# Altium PCB MAX96724_COUPON.PcbDoc (part 2 of 2)
Units mm, origin at the board's own origin, x right, y up, seen from the top; angles counter-clockwise.
Board outline 95 x 90 mm, 4 copper layers (TOP, INT1, INT2, BOT), stack 1.586 mm thick; 183 components, 135 nets, 552 pads, 449 vias.
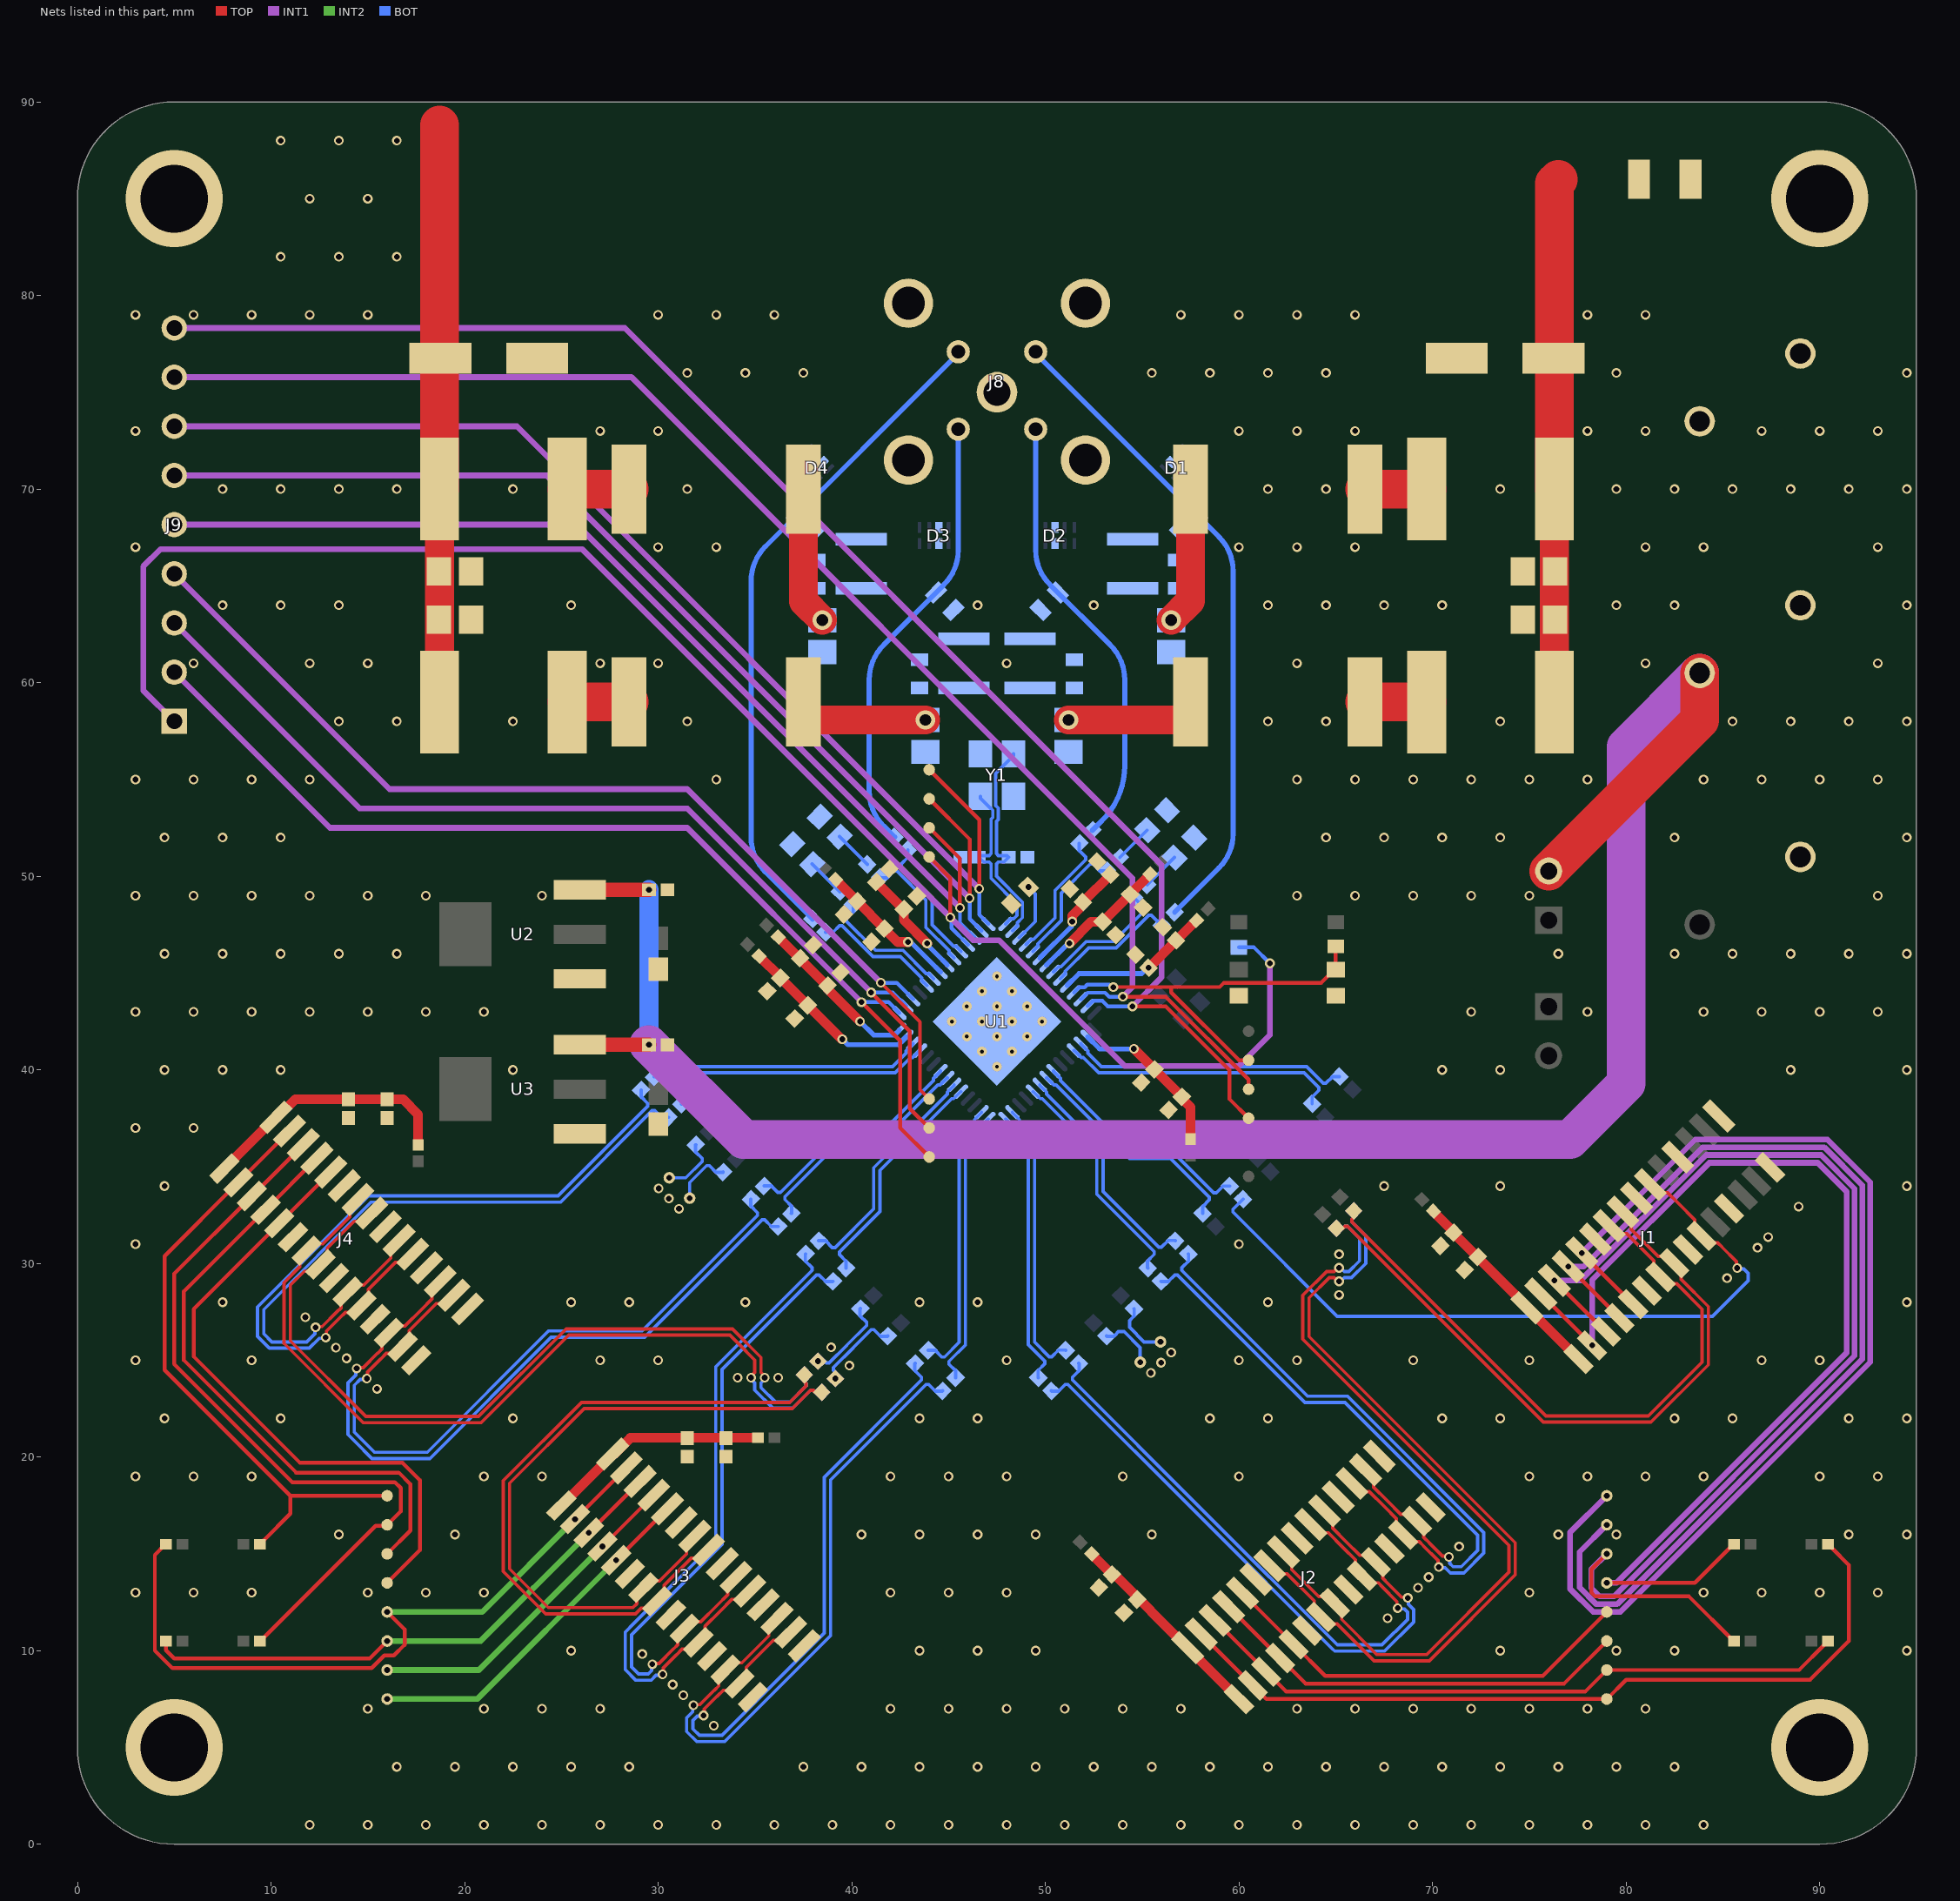
[diagram p4: the nets of this part, all layers, seen from the top]

## Via types
v1: diameter 0.5, hole 0.3, TOP to BOT, tented both sides, 348 vias
v2: diameter 0.5, hole 0.3, TOP to BOT, 77 vias
v3: diameter 0.5, hole 0.2, TOP to BOT, 16 vias
v4: diameter 1, hole 0.6, TOP to BOT, 4 vias
v5: diameter 5, hole 3.5, TOP to BOT, 4 vias

## Nets (pads, with @x,y where several pads share a name; then routed paths per layer and width w, separated by ;. In a path a pad name is that pad's centre, name@x,y a point inside that pad or via, vN(x,y) a via of type N, cw(c..) or ccw(c..) an arc to the next point about the centre after c; other vN are vias at no path point) (continued)
CSI0_D1_P: C16.2 J1.6 | length 38.3
  TOP w0.172: J1.6@81.25,34.078 81.692,33.636 81.994,33.636 82.011,33.653 82.154,33.653 82.701,33.106 83.547,32.26 83.547,32.117 83.53,32.1 83.53,31.798 J1.6@83.902,31.427 84.273,31.056 84.575,31.056 84.592,31.073 84.735,31.073 84.948,30.86 84.948,30.85 85.699,30.099 85.699,29.802 v2(85.738,29.763)
  BOT w0.172: C16.2@60.213,33.323 59.691,32.801 59.691,32.658 65.077,27.272 84.466,27.272 86.303,29.109 86.303,29.495 86.073,29.724 85.776,29.724 v2(85.738,29.763)
CSI0_D2_N: C19.2 J2.2 | length 31.9
  TOP w0.172: J2.2@66.541,19.344 66.983,18.902 66.983,18.6 66.966,18.583 66.966,18.44 67.647,17.759 68.359,17.047 68.502,17.047 68.519,17.064 68.821,17.064 J2.2@69.192,16.692 69.564,16.321 69.564,16.019 69.547,16.002 69.547,15.859 69.854,15.552 69.854,15.542 70.511,14.885 70.808,14.885 v2(70.846,14.846)
  BOT w0.172: C19.2@55.97,29.08 55.985,29.065 56.339,29.065 56.684,29.41 56.827,29.41 63.415,22.821 65.473,22.821 72.078,16.216 72.325,15.969 72.325,15.175 71.488,14.338 71.057,14.338 70.885,14.511 70.885,14.808 v2(70.846,14.846)
CSI0_D2_P: C18.2 J2.3 | length 32.9
  TOP w0.172: J2.3@65.834,18.637 66.276,18.195 66.578,18.195 66.595,18.212 66.738,18.212 67.513,17.437 68.131,16.819 68.131,16.676 68.114,16.659 68.114,16.357 J2.3@68.485,15.985 68.857,15.614 69.159,15.614 69.176,15.631 69.319,15.631 69.531,15.418 69.531,15.408 70.283,14.657 70.283,14.36 v2(70.321,14.321)
  BOT w0.172: C18.2@57.384,30.494 57.399,30.479 57.399,30.126 57.055,29.781 57.055,29.638 63.549,23.144 65.606,23.144 72.4,16.35 72.647,16.103 72.647,15.041 71.622,14.016 70.924,14.016 70.657,14.283 70.36,14.283 v2(70.321,14.321)
CSI0_D3_N: C23.2 J2.5 | length 33.3
  TOP w0.172: J2.5@64.419,17.223 64.861,16.781 64.861,16.478 64.844,16.461 64.844,16.319 65.525,15.638 66.238,14.925 66.38,14.925 66.397,14.942 66.7,14.942 J2.5@67.071,14.571 67.442,14.2 67.442,13.897 67.425,13.88 67.425,13.738 67.732,13.431 67.732,13.42 68.389,12.764 68.686,12.764 v2(68.725,12.725)
  BOT w0.172: C23.2@50.313,23.423 50.328,23.408 50.682,23.408 51.027,23.753 51.17,23.753 57.992,16.931 64.829,10.093 64.947,9.976 67.526,9.976 69.03,11.48 69.03,12.122 68.764,12.389 68.764,12.686 v2(68.725,12.725)
CSI0_D3_P: C22.2 J2.6 | length 32.3
  TOP w0.172: J2.6@63.712,16.516 64.154,16.074 64.457,16.074 64.474,16.091 64.616,16.091 65.392,15.315 66.01,14.697 66.01,14.555 65.993,14.538 65.993,14.235 J2.6@66.364,13.864 66.735,13.493 67.038,13.493 67.055,13.51 67.197,13.51 67.41,13.297 67.41,13.287 68.161,12.536 68.161,12.239 v2(68.2,12.2)
  BOT w0.172: C22.2@51.727,24.837 51.743,24.822 51.743,24.469 51.398,24.124 51.398,23.981 58.125,17.254 65.08,10.298 67.392,10.298 68.708,11.614 68.708,11.989 68.536,12.161 68.239,12.161 v2(68.2,12.2)
CSI0A_IO0: J1.11 TP1.1 | length 58.2
  TOP w0.2: v2(77.714,30.543) J1.11@80.366,27.891
  INT1 w0.3: v2(77.714,30.543) 83.576,36.405 90.399,36.405 92.605,34.199 92.605,24.901 79.704,12 78.3,12 77.1,13.2 77.1,16.1 v2(79,18)
CSI0A_IO1: J1.12 TP3.1 | length 55.3
  TOP w0.2: v2(77.007,29.836) J1.12@79.659,27.184
  INT1 w0.3: v2(77.007,29.836) 77.8,29.836 83.967,36.003 90.233,36.003 92.203,34.033 92.203,25.067 79.537,12.402 78.466,12.402 77.6,13.268 77.6,15.1 v2(79,16.5)
CSI0A_SCL: J1.13 R13.1 TP5.1 | length 63.1
  TOP w0.2: v2(76.3,29.129) J1.13@78.952,26.477 ; v2(79,15) 78.2,14.2 78.2,13 78.4,12.8 83.25,12.8 85.55,10.5 R13.1@85.575,10.5
  INT1 w0.3: v2(76.3,29.129) 77.661,29.129 84.134,35.602 90.066,35.602 91.802,33.866 91.802,25.234 79.371,12.803 78.633,12.803 78.2,13.236 78.2,14.2 v2(79,15)
CSI0A_SDA: J1.14 R7.1 TP7.1 | length 56.4
  TOP w0.2: J1.14@75.593,28.422 v2(78.245,25.77) ; v2(79,13.5) 83.55,13.5 85.55,15.5 R7.1@85.575,15.5
  INT1 w0.3: v2(78.245,25.77) 78.245,29.145 84.3,35.2 89.9,35.2 91.4,33.7 91.4,25.4 79.5,13.5 v2(79,13.5)
CSI0B_IO0: J2.11 TP2.1 | length 22
  TOP w0.2: J2.11@60.177,12.98 J2.11@62.828,10.328 64.457,8.7 75.7,8.7 TP2.1@79,12
CSI0B_IO1: J2.12 TP4.1 | length 22.1
  TOP w0.2: J2.12@59.47,12.273 J2.12@62.121,9.621 63.443,8.3 76.8,8.3 TP4.1@79,10.5
CSI0B_SCL: J2.13 R17.1 TP6.1 | length 34.3
  TOP w0.2: J2.13@58.763,11.566 J2.13@61.414,8.914 62.432,7.897 77.897,7.897 TP6.1@79,9 88.935,9 90.225,10.29 90.225,10.325 90.4,10.5 R17.1@90.425,10.5
CSI0B_SDA: J2.14 R11.1 TP8.1 | length 41.5
  TOP w0.2: J2.14@58.055,10.859 J2.14@60.707,8.207 60.718,8.207 61.425,7.5 TP8.1@79,7.5 80,8.5 89.5,8.5 91.5,10.5 91.5,14.425 90.625,15.3 90.625,15.325 90.45,15.5 R11.1@90.425,15.5
CSI1_CK_N: C41.2 R19.2 R20.2 | length 4.4
  BOT w0.172: v2(38.254,24.954) 38.591,24.954 38.687,24.858 38.83,24.858 39.737,25.765 39.737,25.773 40.774,26.809 40.774,26.952 40.429,27.297 40.429,27.651 C41.2@40.444,27.666
CSI1_CK_P: C38.2 R21.2 R22.2 | length 4.4
  BOT w0.172: v2(39.154,24.054) 39.154,24.391 39.058,24.487 39.058,24.63 40.059,25.631 40.059,25.639 41.002,26.581 41.145,26.581 41.49,26.237 41.843,26.237 C38.2@41.858,26.252
CSI1_D0_N: C29.2 J3.2 | length 33.2
  TOP w0.172: v2(32.346,6.654) 32.385,6.692 32.385,6.989 33.042,7.646 33.052,7.646 33.359,7.953 33.502,7.953 33.519,7.936 33.821,7.936 J3.2@34.192,8.308 34.564,8.679 34.564,8.981 34.547,8.998 34.547,9.141 35.94,10.534 36.083,10.534 36.1,10.517 36.402,10.517 J3.2@36.844,10.959
  BOT w0.172: v2(32.346,6.654) 32.308,6.615 32.011,6.615 31.793,6.397 31.793,5.957 32.125,5.625 33.3,5.625 38.58,10.905 38.58,18.959 43.602,23.981 43.602,24.124 43.257,24.469 43.257,24.822 C29.2@43.273,24.837
CSI1_D0_P: C28.2 J3.3 | length 34.2
  TOP w0.172: v2(31.821,7.179) 31.86,7.217 32.157,7.217 32.908,7.969 32.918,7.969 33.131,8.181 33.131,8.324 33.114,8.341 33.114,8.643 J3.3@33.485,9.015 33.857,9.386 34.159,9.386 34.176,9.369 34.319,9.369 35.712,10.762 35.712,10.905 35.695,10.922 35.695,11.224 J3.3@36.137,11.666
  BOT w0.172: v2(31.821,7.179) 31.783,7.14 31.783,6.843 31.47,6.531 31.47,5.824 31.991,5.303 33.434,5.303 38.902,10.771 38.902,18.825 43.83,23.753 43.973,23.753 44.318,23.408 44.672,23.408 C28.2@44.687,23.423
CSI1_D1_N: C31.2 J3.5 | length 34.7
  TOP w0.172: v2(30.225,8.775) 30.264,8.814 30.264,9.111 30.92,9.768 30.931,9.768 31.238,10.075 31.38,10.075 31.397,10.058 31.7,10.058 J3.5@32.071,10.429 32.442,10.8 32.442,11.103 32.425,11.12 32.425,11.262 33.177,12.014 33.819,12.656 33.961,12.656 33.978,12.639 34.281,12.639 J3.5@34.723,13.081
  BOT w0.172: v2(30.225,8.775) 30.186,8.736 29.889,8.736 29.622,8.47 28.851,8.47 28.3,9.02 28.3,10.956 28.741,11.397 32.975,15.631 32.975,24.667 37.945,29.638 37.945,29.781 37.601,30.126 37.601,30.479 C31.2@37.616,30.494
CSI1_D1_P: C30.2 J3.6 | length 33.6
  TOP w0.172: v2(29.7,9.3) 29.739,9.339 30.036,9.339 30.787,10.09 30.797,10.09 31.01,10.303 31.01,10.445 30.993,10.462 30.993,10.765 J3.6@31.364,11.136 31.735,11.507 32.038,11.507 32.055,11.49 32.197,11.49 33.043,12.336 33.591,12.884 33.591,13.026 33.574,13.043 33.574,13.346 J3.6@34.016,13.788
  BOT w0.172: v2(29.7,9.3) 29.661,9.261 29.661,8.964 29.489,8.792 28.984,8.792 28.622,9.154 28.622,10.822 33.297,15.497 33.297,24.534 38.173,29.41 38.316,29.41 38.661,29.065 39.015,29.065 C30.2@39.03,29.08
CSI1_D2_N: C33.2 J4.2 | length 37.3
  TOP w0.172: v2(14.947,24.053) 14.986,24.092 14.986,24.389 15.642,25.046 15.652,25.046 15.959,25.353 16.102,25.353 16.119,25.336 16.422,25.336 J4.2@16.793,25.707 17.164,26.078 17.164,26.381 17.147,26.398 17.147,26.541 17.899,27.292 18.54,27.934 18.683,27.934 18.7,27.917 19.003,27.917 J4.2@19.445,28.359
  BOT w0.172: v2(14.947,24.053) 14.908,24.014 14.611,24.014 14.301,23.704 14.301,21.299 15.35,20.25 18.075,20.25 24.34,26.515 29.166,26.515 35.132,32.481 35.132,32.624 34.787,32.969 C33.2@34.787,33.323
CSI1_D2_P: C32.2 J4.3 | length 38.4
  TOP w0.172: v2(14.422,24.578) 14.461,24.617 14.758,24.617 15.509,25.368 15.519,25.368 15.732,25.581 15.732,25.724 15.715,25.741 15.715,26.043 J4.3@16.086,26.414 16.457,26.785 16.759,26.785 16.776,26.768 16.919,26.768 17.765,27.614 18.312,28.162 18.312,28.305 18.295,28.322 18.295,28.624 J4.3@18.737,29.066
  BOT w0.172: v2(14.422,24.578) 14.383,24.539 14.383,24.242 13.979,23.838 13.979,21.165 14.347,20.797 15.216,19.928 18.209,19.928 24.474,26.193 29.3,26.193 35.36,32.253 35.503,32.253 35.848,31.909 C32.2@36.201,31.909
CSI1_D3_N: C37.2 J4.5 | length 37.7
  TOP w0.172: v2(12.826,26.174) 12.864,26.213 12.864,26.51 13.521,27.167 13.531,27.167 13.838,27.474 13.981,27.474 13.998,27.457 14.3,27.457 J4.5@14.672,27.828 15.043,28.2 15.043,28.502 15.026,28.519 15.026,28.662 16.419,30.055 16.562,30.055 16.579,30.038 16.881,30.038 J4.5@17.323,30.48
  BOT w0.172: v2(12.826,26.174) 12.787,26.136 12.49,26.136 11.982,25.628 9.916,25.628 9.822,25.722 9.303,26.241 9.303,27.753 15.036,33.486 24.823,33.486 29.46,38.123 29.46,38.266 29.115,38.611 C37.2@29.115,38.964
CSI1_D3_P: C36.2 J4.6 | length 36.7
  TOP w0.172: v2(12.301,26.699) 12.339,26.738 12.636,26.738 13.387,27.489 13.397,27.489 13.61,27.702 13.61,27.845 13.593,27.862 13.593,28.164 J4.6@13.964,28.536 14.336,28.907 14.638,28.907 14.655,28.89 14.798,28.89 16.191,30.283 16.191,30.426 16.174,30.443 16.174,30.745 J4.6@16.616,31.187
  BOT w0.172: v2(12.301,26.699) 12.262,26.661 12.262,26.364 11.848,25.95 10.05,25.95 9.625,26.375 9.625,27.619 15.17,33.164 24.957,33.164 29.688,37.895 29.831,37.895 30.176,37.55 C36.2@30.529,37.55
CSI1A_IO0: J3.11 TP10.1 | length 18.5
  TOP w0.2: v2(27.828,14.672) J3.11@30.48,17.323
  INT2 w0.3: v2(16,7.5) 20.657,7.5 v2(27.828,14.672)
CSI1A_IO1: J3.12 TP12.1 | length 17.5
  TOP w0.2: v2(27.121,15.379) J3.12@29.773,18.03
  INT2 w0.3: v2(16,9) 20.743,9 v2(27.121,15.379)
CSI1A_SCL: J3.13 R15.1 TP14.1 | length 28.9
  TOP w0.2: R15.1@4.575,10.5 4.575,10.025 5,9.6 15.1,9.6 v2(16,10.5) ; v2(26.414,16.086) J3.13@29.066,18.737
  INT2 w0.3: v2(16,10.5) 20.828,10.5 v2(26.414,16.086)
CSI1A_SDA: J3.14 R9.1 TP16.1 | length 37
  TOP w0.2: R9.1@4.575,15.5 4.55,15.5 4,14.95 4,10 4.9,9.1 15.2,9.1 15.85,9.75 16.35,9.75 16.9,10.3 16.9,11.1 v2(16,12) ; v2(25.707,16.793) J3.14@28.359,19.445
  INT2 w0.3: v2(16,12) 20.914,12 v2(25.707,16.793)
CSI1B_IO0: J4.11 TP11.1 | length 32.8
  TOP w0.2: J4.11@13.081,34.723 J4.11@10.429,32.071 6,27.642 6,25.2 11.5,19.7 16.8,19.7 17.7,18.8 17.7,15.2 TP11.1@16,13.5
CSI1B_IO1: J4.12 TP13.1 | length 31.7
  TOP w0.2: J4.12@12.373,35.43 J4.12@9.722,32.778 5.5,28.556 5.5,25 11.3,19.2 16.6,19.2 17.2,18.6 17.2,16.2 TP13.1@16,15
CSI1B_SCL: J4.13 R18.1 TP15.1 | length 39.7
  TOP w0.2: R18.1@9.425,10.5 9.45,10.5 15.4,16.45 15.95,16.45 TP15.1@16,16.5 16.7,17.2 16.7,18.4 16.4,18.7 11.1,18.7 5,24.8 5,29.471 J4.13@9.015,33.485 J4.13@11.666,36.137
CSI1B_SDA: J4.14 R12.1 TP17.1 | length 32.4
  TOP w0.2: R12.1@9.425,15.5 9.45,15.5 9.625,15.675 9.625,15.7 11,17.075 11,18 ; J4.14@10.959,36.844 J4.14@8.308,34.192 4.5,30.385 4.5,24.5 11,18 ; TP17.1@16,18 11,18
DA0_N: C15.1 U1.32 | length 14.4
  BOT w0.172: U1.32@51.477,40.997 51.498,40.997 51.858,40.638 51.962,40.638 52.756,39.845 63.362,39.845 64.124,39.084 64.124,38.941 63.779,38.596 C15.1@63.779,38.242
DA0_P: C14.1 U1.31 | length 14.4
  BOT w0.172: U1.31@51.831,41.351 51.831,41.33 52.19,40.971 52.19,40.866 52.889,40.167 63.496,40.167 64.351,39.311 64.494,39.311 64.839,39.656 C14.1@65.193,39.656
DA1_N: C17.1 U1.36 | length 11.9
  BOT w0.172: U1.36@50.063,39.583 50.084,39.583 50.443,39.224 50.548,39.224 54.352,35.42 56.473,35.42 58.467,33.427 58.467,33.284 58.122,32.939 C17.1@58.122,32.585
DA1_P: C16.1 U1.35 | length 11.9
  BOT w0.172: U1.35@50.417,39.937 50.417,39.916 50.776,39.557 50.776,39.452 54.485,35.743 56.607,35.743 58.695,33.655 58.837,33.655 59.182,34 C16.1@59.536,34
DA2_N: C19.1 U1.38 | length 11.9
  BOT w0.172: U1.38@49.356,38.876 49.377,38.876 49.736,38.517 49.841,38.517 52.654,35.704 52.654,33.583 55.623,30.613 55.623,30.471 55.278,30.126 55.278,29.772 C19.1@55.293,29.757
DA2_P: C18.1 U1.37 | length 11.9
  BOT w0.172: U1.37@49.71,39.23 49.71,39.209 50.069,38.85 50.069,38.745 52.976,35.838 52.976,33.716 55.851,30.841 55.994,30.841 56.339,31.186 56.692,31.186 C18.1@56.708,31.171
DA3_N: C23.1 U1.42 | length 14.4
  BOT w0.172: U1.42@47.942,37.462 47.963,37.462 48.322,37.103 48.427,37.103 49.118,36.411 49.118,25.805 49.966,24.957 49.966,24.814 49.621,24.469 49.621,24.115 C23.1@49.636,24.1
DA3_P: C22.1 U1.41 | length 14.4
  BOT w0.172: U1.41@48.295,37.815 48.295,37.794 48.655,37.435 48.655,37.331 49.441,36.545 49.441,25.938 50.194,25.185 50.337,25.185 50.682,25.529 51.036,25.529 C22.1@51.051,25.514
DB0_N: C29.1 U1.44 | length 14.4
  BOT w0.172: C29.1@43.949,25.514 44.303,25.514 44.648,25.169 44.791,25.169 45.552,25.931 45.552,36.537 46.345,37.331 46.345,37.435 46.705,37.794 U1.44@46.705,37.815
DB0_P: C28.1 U1.43 | length 14.4
  BOT w0.172: C28.1@45.364,24.1 45.364,24.454 45.019,24.799 45.019,24.941 45.874,25.797 45.874,36.404 46.573,37.103 46.678,37.103 47.037,37.462 U1.43@47.058,37.462
DB1_N: C31.1 U1.48 | length 11.9
  BOT w0.172: C31.1@38.292,31.171 38.646,31.171 38.991,30.826 39.134,30.826 41.128,32.82 41.128,34.941 44.931,38.745 44.931,38.85 45.29,39.209 U1.48@45.29,39.23
DB1_P: C30.1 U1.47 | length 11.9
  BOT w0.172: C30.1@39.707,29.757 39.707,30.111 39.362,30.455 39.362,30.598 41.45,32.686 41.45,34.808 45.159,38.517 45.264,38.517 45.623,38.876 U1.47@45.644,38.876
DB2_N: C33.1 U1.50 | length 11.9
  BOT w0.172: C33.1@35.464,34 35.479,34.015 35.833,34.015 36.178,33.67 36.321,33.67 39.29,36.639 41.411,36.639 44.224,39.452 44.224,39.557 44.583,39.916 U1.50@44.583,39.937
DB2_P: C32.1 U1.49 | length 11.9
  BOT w0.172: C32.1@36.878,32.585 36.893,32.601 36.893,32.954 36.548,33.299 36.548,33.442 39.423,36.317 41.545,36.317 44.452,39.224 44.557,39.224 44.916,39.583 U1.49@44.937,39.583
DB3_N: C37.1 U1.54 | length 14.4
  BOT w0.172: C37.1@29.792,39.641 29.807,39.656 30.161,39.656 30.506,39.311 30.649,39.311 31.504,40.167 42.111,40.167 42.81,40.866 42.81,40.971 43.169,41.33 U1.54@43.169,41.351
DB3_P: C36.1 U1.53 | length 14.4
  BOT w0.172: C36.1@31.206,38.227 31.221,38.242 31.221,38.596 30.876,38.941 30.876,39.084 31.638,39.845 42.244,39.845 43.038,40.638 43.142,40.638 43.502,40.997 U1.53@43.523,40.997
GND: C1.2 C2.2 C3.1 C4.1 C5.1 C6.2 C7.2 C8.2 C9.2 C10.2 C11.2 C12.2 C13.2 C42.1 C43.1 C44.1 C45.2 C46.1 C47.1 C48.1 C49.1 C50.1 C51.1 C52.1 C53.1 C54.1 C55.1 C56.1 C57.1 C58.1 C59.2 C60.1 C61.1 C62.1 C63.1 C64.2 C65.2 C66.2 C67.2 C72.1 D1.3 D1.8 D2.3 D2.8 D3.3 D3.8 D4.3 D4.8 J1.1 J1.4 J1.7 J1.10 J2.1 J2.4 J2.7 J2.10 J3.1 J3.4 J3.7 J3.10 J4.1 J4.4 J4.7 J4.10 J5.2 J6.2 J7.2 J8.MH1 J8.MH2 J8.MH3 J8.MH4 J8.MH5 R27.1 R29.1 R30.1 R34.1 R35.1 R36.1 R37.1 U1.57 U2.1 U3.1 Y1.2 Y1.4
  other v1: 12,1 15,1 18,1 21,1 24,1 27,1 30,1 33,1 36,1 39,1 42,1 45,1 48,1 51,1 54,1 57,1 60,1 63,1 66,1 69,1 72,1 75,1 78,1 81,1 84,1 16.5,4 19.5,4 22.5,4 25.5,4 28.5,4 37.5,4 40.5,4 43.5,4 46.5,4 49.5,4 52.5,4 55.5,4 58.5,4 61.5,4 64.5,4 67.5,4 70.5,4 73.5,4 76.5,4 79.5,4 82.5,4 32.875,6.125 15,7 21,7 24,7 27,7 42,7 45,7 48,7 51,7 54,7 57,7 63,7 66,7 69,7 72,7 75,7 78,7 81,7 31.3,7.7 30.75,8.25 29.175,9.825 25.5,10 43.5,10 46.5,10 49.5,10 73.5,10 79.5,10 82.5,10 94.5,10 67.675,11.675 3,13 6,13 9,13 15,13 18,13 21,13 42,13 45,13 48,13 75,13 84,13 87,13 90,13 93,13 69.25,13.25 69.8,13.8 71.375,15.375 13.5,16 19.5,16 40.5,16 43.5,16 46.5,16 49.5,16 55.5,16 76.5,16 79.5,16 91.5,16 94.5,16 3,19 6,19 9,19 21,19 24,19 42,19 45,19 48,19 54,19 60,19 75,19 78,19 81,19 84,19 90,19 93,19 4.5,22 10.5,22 22.5,22 43.5,22 46.5,22 58.5,22 61.5,22 70.5,22 73.5,22 82.5,22 85.5,22 91.5,22 94.5,22 15.476,23.524 34.1,24.1 36.2,24.1 55.45,24.35 39.875,24.725 55.975,24.875 3,25 9,25 27,25 30,25 48,25 60,25 63,25 69,25 75,25 87,25 90,25 13.901,25.099 56.5,25.4 13.351,25.649 38.931,25.669 11.776,27.224 7.5,28 25.5,28 28.5,28 34.5,28 43.5,28 46.5,28 61.5,28 94.5,28 65.175,28.375 85.213,29.238 65.175,30.475 86.788,30.813 3,31 60,31 87.338,31.363 31.075,32.825 88.913,32.938 30.55,33.35 30.025,33.875 4.5,34 67.5,34 73.5,34 94.5,34 3,37 6,37 4.5,40 7.5,40 10.5,40 22.5,40 70.5,40 73.5,40 88.5,40 94.5,40 3,43 6,43 9,43 12,43 15,43 18,43 21,43 72,43 78,43 84,43 87,43 90,43 93,43 4.5,46 7.5,46 10.5,46 13.5,46 16.5,46 76.5,46 82.5,46 85.5,46 88.5,46 91.5,46 94.5,46 3,49 6,49 9,49 12,49 15,49 18,49 24,49 63,49 66,49 69,49 72,49 75,49 93,49 4.5,52 7.5,52 10.5,52 64.5,52 67.5,52 70.5,52 73.5,52 82.5,52 94.5,52 3,55 6,55 9,55 12,55 33,55 63,55 66,55 69,55 72,55 75,55 78,55 84,55 87,55 90,55 93,55 13.5,58 16.5,58 22.5,58 31.5,58 61.5,58 64.5,58 73.5,58 85.5,58 88.5,58 91.5,58 94.5,58 6,61 12,61 15,61 27,61 30,61 48,61 63,61 81,61 93,61 7.5,64 10.5,64 13.5,64 25.5,64 46.5,64 52.5,64 61.5,64 64.5,64 67.5,64 70.5,64 79.5,64 82.5,64 94.5,64 3,67 30,67 33,67 60,67 63,67 66,67 81,67 84,67 93,67 7.5,70 10.5,70 13.5,70 16.5,70 22.5,70 31.5,70 61.5,70 64.5,70 73.5,70 79.5,70 82.5,70 85.5,70 88.5,70 91.5,70 94.5,70 3,73 27,73 30,73 60,73 63,73 66,73 78,73 81,73 87,73 90,73 93,73 31.5,76 34.5,76 37.5,76 55.5,76 58.5,76 61.5,76 64.5,76 79.5,76 94.5,76 3,79 6,79 9,79 12,79 15,79 30,79 33,79 36,79 57,79 60,79 63,79 66,79 78,79 81,79 10.5,82 13.5,82 16.5,82 12,85 15,85 10.5,88 13.5,88 16.5,88
  other v3: 47.5,40.167 46.722,40.944 48.278,40.944 45.944,41.722 47.5,41.722 49.056,41.722 45.167,42.5 46.722,42.5 48.278,42.5 49.833,42.5 45.944,43.278 47.5,43.278 49.056,43.278 46.722,44.056 48.278,44.056 47.5,44.833
  other v5: 5,5 90,5 5,85 90,85
J1_N: J1.8 R1.1 | length 34.7
  TOP w0.172: R1.1@65.029,31.821 65.366,31.821 65.462,31.917 65.605,31.917 75.719,21.803 81.284,21.803 84.247,24.766 84.247,27.773 82.842,29.179 82.842,29.322 82.859,29.339 82.859,29.641 J1.8@82.487,30.013 82.116,30.384 81.814,30.384 81.797,30.367 81.654,30.367 80.261,31.76 80.261,31.903 80.278,31.92 80.278,32.222 J1.8@79.836,32.664
J1_P: J1.9 R3.1 | length 33.7
  TOP w0.172: R3.1@65.929,32.721 65.929,32.384 65.833,32.288 65.833,32.145 75.853,22.125 81.15,22.125 83.925,24.9 83.925,27.64 82.614,28.951 82.471,28.951 82.454,28.934 82.152,28.934 J1.9@81.78,29.305 81.409,29.677 81.409,29.979 81.426,29.996 81.426,30.139 80.033,31.532 79.89,31.532 79.873,31.515 79.571,31.515 J1.9@79.129,31.957
J2_N: J2.8 R2.1 | length 41.4
  TOP w0.172: J2.8@62.298,15.101 62.74,14.659 62.74,14.357 62.723,14.34 62.723,14.197 64.116,12.804 64.259,12.804 64.276,12.821 64.579,12.821 J2.8@64.95,12.45 65.321,12.079 65.321,11.776 65.304,11.759 65.304,11.616 67.12,9.8 69.703,9.8 73.953,14.05 73.953,15.441 63.303,26.091 63.303,28.356 64.533,29.586 64.91,29.586 65.099,29.775 v2(65.175,29.775)
  BOT w0.172: R2.1@65.029,31.821 65.366,31.821 65.462,31.917 65.605,31.917 66.23,31.292 66.23,30.133 65.684,29.586 65.44,29.586 65.251,29.775 v2(65.175,29.775)
J2_P: J2.9 R4.1 | length 42.5
  TOP w0.172: J2.9@61.591,14.394 62.033,13.952 62.335,13.952 62.352,13.969 62.495,13.969 63.888,12.576 63.888,12.433 63.871,12.416 63.871,12.114 J2.9@64.243,11.743 64.614,11.371 64.916,11.371 64.933,11.388 65.076,11.388 66.987,9.478 69.836,9.478 74.275,13.916 74.275,15.575 63.625,26.225 63.625,28.222 64.666,29.264 64.91,29.264 65.099,29.075 v2(65.175,29.075)
  BOT w0.172: v2(65.175,29.075) 65.251,29.075 65.44,29.264 65.817,29.264 66.552,29.999 66.552,31.425 65.833,32.145 65.833,32.288 65.929,32.384 R4.1@65.929,32.721
J3_N: J3.8 R19.1 | length 36.2
  TOP w0.172: J3.8@32.601,15.202 32.159,14.76 31.857,14.76 31.84,14.777 31.697,14.777 30.304,13.384 30.304,13.241 30.321,13.224 30.321,12.921 J3.8@29.95,12.55 29.579,12.179 29.276,12.179 29.259,12.196 29.116,12.196 28.823,11.903 24.191,11.903 24.097,11.997 22.003,14.091 22.003,18.784 26.041,22.822 36.794,22.822 37.642,23.67 37.642,23.813 37.546,23.909 R19.1@37.546,24.246
J3_P: J3.9 R21.1 | length 35.1
  TOP w0.172: J3.9@31.894,15.909 31.452,15.467 31.452,15.165 31.469,15.148 31.469,15.005 30.076,13.612 29.933,13.612 29.916,13.629 29.614,13.629 J3.9@29.243,13.257 28.871,12.886 28.871,12.584 28.888,12.567 28.888,12.424 28.689,12.225 24.325,12.225 22.325,14.225 22.325,18.65 26.175,22.5 36.928,22.5 37.87,23.442 38.013,23.442 38.109,23.346 R21.1@38.446,23.346
J4_N: J4.8 R20.1 | length 42.7
  TOP w0.172: J4.8@15.202,32.601 14.76,32.159 14.458,32.159 14.441,32.176 14.298,32.176 12.904,30.783 12.904,30.64 12.921,30.623 12.921,30.321 J4.8@12.55,29.95 12.179,29.579 11.877,29.579 11.86,29.596 11.717,29.596 11,28.879 11,26 14.9,22.1 20.72,22.1 25.243,26.622 33.834,26.622 35.311,25.145 35.311,24.365 35.5,24.176 v2(35.5,24.1)
  BOT w0.172: v2(35.5,24.1) 35.5,24.024 35.311,23.835 35.311,23.591 36.058,22.845 36.817,22.845 37.642,23.67 37.642,23.813 37.546,23.909 R20.1@37.546,24.246
J4_P: J4.9 R22.1 | length 43.7
  TOP w0.172: J4.9@14.495,33.309 14.053,32.867 14.053,32.564 14.07,32.547 14.07,32.404 12.677,31.011 12.534,31.011 12.517,31.028 12.214,31.028 J4.9@11.843,30.657 11.472,30.286 11.472,29.983 11.489,29.966 11.489,29.823 10.678,29.012 10.678,25.866 10.772,25.772 14.766,21.778 20.854,21.778 25.376,26.3 33.7,26.3 34.154,25.846 34.989,25.011 34.989,24.365 34.8,24.176 v2(34.8,24.1)
  BOT w0.172: v2(34.8,24.1) 34.8,24.024 34.989,23.835 34.989,23.458 35.924,22.523 36.95,22.523 37.87,23.442 38.013,23.442 38.109,23.346 R22.1@38.446,23.346
LO_VCC: C44.2 C58.2 J6.1 P1.2 U2.3 U3.3 | length 105.1
  TOP w0.75: U3.3@25.95,41.3 v2(29.521,41.3) ; U2.3@25.95,49.3 v2(29.521,49.3)
  TOP w2: P1.2@76,50.27 83.8,58.07 J6.1@83.8,60.5
  INT1 w2: v2(29.521,41.3) 34.421,36.4 77.1,36.4 80,39.3 80,56.7 J6.1@83.8,60.5
  BOT w1: v2(29.521,41.3) v2(29.521,49.3)
MFP0: J9.2 TP26.1 U1.1 | length 54.2
  TOP w0.2: v2(40.5,43.5) 42.5,41.5 42.5,37 TP26.1@44,35.5
  INT1 w0.3: J9.2@5,60.54 13.04,52.5 31.5,52.5 v2(40.5,43.5)
  BOT w0.2: v2(40.5,43.5) 41.904,43.5 U1.1@42.462,42.942
MFP1: J9.3 TP28.1 U1.2 | length 54.3
  TOP w0.2: v2(41,44) 43,42 43,38 TP28.1@44,37
  INT1 w0.3: J9.3@5,63.08 14.58,53.5 31.5,53.5 v2(41,44)
  BOT w0.2: v2(41,44) 42.111,44 U1.2@42.815,43.295
MFP2: J9.4 TP30.1 U1.3 | length 54.3
  TOP w0.2: v2(41.5,44.5) 43.523,42.477 43.523,38.977 TP30.1@44,38.5
  INT1 w0.3: J9.4@5,65.62 16.12,54.5 31.5,54.5 v2(41.5,44.5)
  BOT w0.2: v2(41.5,44.5) 42.318,44.5 U1.3@43.169,43.649
MFP3: J9.5 TP23.1 U1.12 | length 55.4
  TOP w0.2: TP23.1@44,52.5 45.586,50.914 45.586,48.374 v2(45.591,48.369)
  INT1 w0.3: J9.5@5,68.16 25.8,68.16 v2(45.591,48.369)
  BOT w0.2: v2(45.591,48.369) 45.591,47.591 U1.12@46.351,46.831
MFP4: J9.6 TP25.1 U1.13 | length 58.1
  TOP w0.2: TP25.1@44,54 46.086,51.914 v2(46.086,48.864)
  INT1 w0.3: J9.6@5,70.7 24.25,70.7 v2(46.086,48.864)
  BOT w0.2: v2(46.086,48.864) 46.091,48.859 46.091,47.798 U1.13@46.705,47.185
MFP5: J9.7 TP27.1 U1.14 | length 60.7
  TOP w0.2: TP27.1@44,55.5 46.586,52.914 v2(46.586,49.359)
  INT1 w0.3: J9.7@5,73.24 22.705,73.24 v2(46.586,49.359)
  BOT w0.2: v2(46.586,49.359) 46.586,48.62 46.581,48.615 46.581,48.015 U1.14@47.058,47.538
MFP6: R31.1 R34.2 TP29.1 U1.25 | length 21
  TOP w0.2: v2(53.51,44.273) 53.515,44.278 56.5,44.278 ; TP29.1@60.5,40.5 60,40.5 56.5,44 56.5,44.278 ; R31.1@65,46.375 R34.2@65,45.175 64.925,45.175 64.25,44.5 59.227,44.5 59.004,44.278 56.5,44.278
  BOT w0.2: U1.25@51.477,44.003 51.735,44.26 52.029,44.26 52.168,44.399 53.303,44.399 53.429,44.273 v2(53.51,44.273)
MFP7: J9.8 TP31.1 U1.26 | length 77.7
  TOP w0.2: v2(54.005,43.778) 56.222,43.778 60.5,39.5 TP31.1@60.5,39
  INT1 w0.3: J9.8@5,75.78 28.62,75.78 54.5,49.9 54.5,44.272 v2(54.005,43.778)
  BOT w0.2: U1.26@51.831,43.649 51.845,43.649 52.18,43.985 53.088,43.985 53.301,43.773 54,43.773 v2(54.005,43.778)
MFP8: J9.9 TP33.1 U1.27 | length 82.2
  TOP w0.2: v2(54.5,43.278) 54.505,43.283 56.217,43.283 59.502,39.998 59.502,39.502 59.5,39.5 59.5,38.5 TP33.1@60.5,37.5
  INT1 w0.3: J9.9@5,78.32 28.28,78.32 56,50.6 56,44.777 v2(54.5,43.278)
  BOT w0.2: U1.27@52.185,43.295 52.442,43.553 52.477,43.553 52.485,43.561 52.945,43.561 53.228,43.278 v2(54.5,43.278)
NetC6_1: C6.1 C7.1 J1.15 R5.1 | length 10.7
  TOP w0.5: R5.1@70.051,32.699 70.051,32.664 71.088,31.626 C7.1@71.088,31.588 71.088,31.55 74.886,27.753 J1.15@74.886,27.714 J1.15@77.538,25.063
NetC8_1: C8.1 C9.1 J2.15 R6.1 | length 10.7
  TOP w0.5: R6.1@52.401,14.999 52.401,14.988 53.438,13.95 C9.1@53.438,13.938 53.561,13.939 J2.15@57.348,10.152 J2.15@60,7.5
NetC10_1: C10.1 C11.1 J3.15 R23.1 | length 11.6
  TOP w0.5: J3.15@25,17.5 J3.15@27.652,20.152 27.722,20.152 28.571,21 R23.1@35.15,21
NetC12_1: C12.1 C13.1 J4.15 R24.1 | length 13.4
  TOP w0.5: J4.15@7.601,34.899 J4.15@10.252,37.551 10.323,37.551 11.25,38.479 C12.1@14,38.479 C13.1@16,38.479 16.821,38.479 17.6,37.7 R24.1@17.6,36.125
NetC25_2: C25.2 R29.2 | length 2
  BOT w0.172: C25.2@55.263,49.556 R29.2@56.675,50.968
NetC26_2: C26.2 R30.2 | length 2
  BOT w0.172: C26.2@53.849,50.97 R30.2@55.26,52.382
NetC39_2: C39.2 R36.2 | length 2
  BOT w0.172: R36.2@39.368,52.046 C39.2@40.798,50.617
NetC40_2: C40.2 R37.2 | length 2
  BOT w0.172: R37.2@37.954,50.632 C40.2@39.383,49.202
NetC46_2: C46.2 C47.2 U1.8 | length 5.8
  TOP w0.5: C46.2@41.262,49.697 41.316,49.644 41.331,49.644 42.677,48.298 C47.2@42.692,48.298 42.677,48.283 42.677,48.161 42.692,48.146 42.692,47.733 v2(43.894,46.531)
  BOT w0.25: v2(43.894,46.531) 43.942,46.483 43.942,46.412 U1.8@44.937,45.417
NetC48_2: C48.2 C49.2 U1.20 | length 5.8
  TOP w0.5: v2(51.389,47.662) 51.389,47.964 51.995,48.57 51.995,48.723 C48.2@53.354,50.081
  BOT w0.254: U1.20@49.71,45.77 51.342,47.403 51.342,47.615 v2(51.389,47.662)
NetC50_2: C50.2 C51.2 R38.2 U1.55 | length 9.7
  TOP w0.5: R38.2@35.214,45.876 36.328,44.763 36.328,44.732 39.479,41.581 v2(39.51,41.581)
  BOT w0.254: v2(39.51,41.581) 39.793,41.298 42.409,41.298 U1.55@42.815,41.705
NetC52_2: C52.2 C53.2 R39.2 U1.56 | length 8.6
  TOP w0.5: R39.2@36.204,46.866 38.717,44.354 C53.2@38.747,44.354 38.732,44.338 38.732,44.217 38.747,44.201 38.747,44.182 v2(40.429,42.5)
  BOT w0.254: v2(40.429,42.5) 41.136,41.793 42.197,41.793 U1.56@42.462,42.058
NetC54_2: C54.2 C55.2 R40.2 U1.7 | length 7.4
  TOP w0.5: R40.2@39.174,49.836 39.174,49.822 40.28,48.715 40.28,48.7 C55.2@41.688,47.293 42.38,46.601 v2(42.904,46.601)
  BOT w0.25: v2(42.904,46.601) 42.952,46.553 43.093,46.553 U1.7@44.583,45.063
NetC56_2: C56.2 C57.2 R41.2 U1.21 | length 7.3
  TOP w0.5: v2(51.248,46.531) 52.364,47.647 52.808,47.647 52.823,47.662 52.945,47.662 C57.2@52.96,47.647 54.367,49.053 54.367,49.069 55.402,50.104 R41.2@55.402,50.119
  BOT w0.254: U1.21@50.063,45.417 51.13,46.483 51.201,46.483 v2(51.248,46.531)
NetC60_2: C60.2 C61.2 R42.2 U1.24 | length 8.1
  TOP w0.5: v2(55.334,45.273) 55.349,45.273 57.791,47.715 R42.2@57.806,47.715
  BOT w0.254: U1.24@51.124,44.356 51.743,44.975 54.969,44.975 55.267,45.273 v2(55.334,45.273)
NetC62_2: C62.2 C63.2 R43.2 U1.30 | length 8.6
  TOP w0.102: C63.2@55.561,40.096 55.561,40.025 C63.2@55.632,40.025
  TOP w0.5: v2(54.571,41.086) C63.2@55.561,40.096 ; C63.2@55.632,40.025 C62.2@57.047,38.611 57.068,38.59 57.068,38.51 57.5,38.077 R43.2@57.5,36.425
  BOT w0.25: U1.30@52.185,41.705 52.803,41.086 v2(54.571,41.086)
NetC64_1: C64.1 L1.1 L9.2 R44.1 | length 7.2
  TOP w1.5: v4(56.5,63.226) 57.5,64.226 L9.2@57.5,70
NetC65_1: C65.1 L3.1 L10.2 R45.1 | length 7.1
  TOP w1.5: v4(51.2,58.076) 57.35,58.076 57.5,58.226 L10.2@57.5,59
NetC66_1: C66.1 L5.1 L11.2 R46.1 | length 7.2
  TOP w1.5: L11.2@37.5,70 37.5,64.204 v4(38.478,63.226)
NetC67_1: C67.1 L7.1 L12.2 R47.1 | length 7.1
  TOP w1.5: L12.2@37.5,59 37.5,58.226 37.65,58.076 v4(43.8,58.076)
NetC68_1: C68.1 TP18.1 | length 3
  BOT w0.172: C68.1@54.577,27.666 54.592,27.65 54.592,27.297 54.523,27.228 54.523,27.223 54.35,27.05 54.35,26.7 55.1,25.95 v2(55.95,25.95)
NetC69_1: C69.1 TP19.1 | length 2.9
  BOT w0.172: C69.1@53.162,26.251 53.178,26.236 53.531,26.236 53.6,26.305 53.605,26.305 53.775,26.475 54.075,26.475 54.9,25.65 v2(54.9,24.9)
NetC70_1: C70.1 TP20.1 | length 3
  BOT w0.172: v2(31.625,33.375) 31.625,34.175 32.504,35.054 32.646,35.054 32.991,34.709 33.345,34.709 C70.1@33.358,34.722
NetC71_1: C71.1 TP21.1 | length 3.1
  BOT w0.172: v2(30.575,34.425) 31.425,34.425 32.275,35.275 32.275,35.425 31.931,35.769 31.931,36.123 C71.1@31.944,36.136
NetF2_2: F2.2 L9.1 | length 3.2
  TOP w2: L9.1@66.5,70 F2.2@69.7,70
NetF3_2: F3.2 L10.1 | length 3.2
  TOP w2: L10.1@66.5,59 F3.2@69.7,59
NetF4_2: F4.2 L11.1 | length 3.2
  TOP w2: F4.2@25.3,70 L11.1@28.5,70
NetF5_2: F5.2 L12.1 | length 3.2
  TOP w2: F5.2@25.3,59 L12.1@28.5,59
NetL1_2: L1.2 L2.1 R44.2
NetL3_2: L3.2 L4.1 R45.2
NetL5_2: L5.2 L6.1 R46.2
NetL7_2: L7.2 L8.1 R47.2
nPWDN: J9.1 R28.1 TP32.1 U1.11 | length 89.9
  TOP w0.2: TP32.1@44,51 45.091,49.909 v2(45.091,47.874)
  INT1 w0.3: J9.1@5,58 3.4,59.6 3.4,66 4.3,66.9 26.065,66.9 v2(45.091,47.874) 46.265,46.7 47.6,46.7 54.1,40.2 60,40.2 61.6,41.8 v2(61.6,45.5)
  BOT w0.2: v2(45.091,47.874) 45.148,47.817 45.148,47.327 U1.11@45.997,46.477 ; R28.1@60,46.325 60.775,46.325 v2(61.6,45.5)
PoC_A: C20.2 D1.1 D1.10 J8.2 L2.2 | length 34.1
  BOT w0.264: J8.2@49.5,77 58.956,67.544 cw(c57.16,65.748) 59.7,65.748 59.7,52.2 cw(c57.2,52.2) 58.968,50.432 C20.2@56.677,48.142
PoC_B: C21.2 D2.5 D2.6 J8.1 L4.2 | length 22.9
  BOT w0.264: J8.1@49.5,73 49.5,66.852 ccw(c52.04,66.852) 50.244,65.056 53.356,61.944 cw(c51.56,60.148) 54.1,60.148 54.1,55.708 ; C21.2@52.408,52.357 52.928,52.878 ccw(c50.099,55.707) 54.1,55.707
PoC_C: C34.2 D3.1 D3.10 J8.4 L8.2 | length 23.1
  BOT w0.264: C34.2@42.212,52.031 41.644,52.599 cw(c43.44,54.395) 40.9,54.395 40.9,60.148 cw(c43.44,60.148) 41.644,61.944 44.756,65.056 ccw(c42.96,66.852) 45.5,66.852 J8.4@45.5,73
PoC_D: C35.2 D4.5 D4.6 J8.3 L6.2 | length 34.7
  BOT w0.264: C35.2@37.969,47.788 35.544,50.213 cw(c37.34,52.009) 34.8,52.009 34.8,65.248 cw(c37.34,65.248) 35.544,67.044 J8.3@45.5,77
PoC_PWR: C1.1 C2.1 C3.2 C4.2 C5.2 C72.2 F1.1 F2.1 F3.1 F4.1 F5.1 | length 56.9
  TOP w1.5: F5.1@18.7,59 F4.1@18.7,70 ; F3.1@76.3,59 F2.1@76.3,70
  TOP w2: F4.1@18.7,70 18.7,88.8 ; F2.1@76.3,70 76.3,85.8 76.5,86
SIOA_N: C25.1 U1.22 | length 6.9
  BOT w0.172: U1.22@50.417,45.063 50.679,45.326 50.805,45.326 52.103,46.624 53.517,46.624 55.108,48.215 55.108,48.357 C25.1@54.586,48.879
SIOA_P: C20.1 U1.23 | length 6.9
  BOT w0.172: U1.23@50.77,44.71 51.033,44.972 51.033,45.098 52.236,46.301 53.651,46.301 55.336,47.987 55.479,47.987 C20.1@56,47.465
SIOB_N: C26.1 U1.19 | length 6.7
  BOT w0.172: U1.19@49.356,46.124 49.618,46.386 49.618,46.512 50.821,47.714 50.821,49.128 52.316,50.623 52.458,50.623 52.803,50.278 53.157,50.278 C26.1@53.172,50.293
SIOB_P: C21.1 U1.18 | length 6.7
  BOT w0.172: U1.18@49.003,46.477 49.265,46.74 49.391,46.74 50.498,47.847 50.498,49.262 52.088,50.851 52.088,50.994 51.743,51.339 51.743,51.692 C21.1@51.758,51.708
SIOC_N: C39.1 U1.9 | length 6.7
  BOT w0.172: C39.1@41.474,49.94 41.49,49.925 41.843,49.925 42.188,50.27 42.331,50.27 43.826,48.775 43.826,47.36 45.028,46.158 45.028,46.033 U1.9@45.29,45.77
SIOC_P: C34.1 U1.10 | length 6.7
  BOT w0.172: C34.1@42.889,51.354 42.904,51.339 42.904,50.985 42.559,50.64 42.559,50.497 44.148,48.908 44.148,47.494 45.256,46.386 45.381,46.386 U1.10@45.644,46.124
SIOD_N: C40.1 U1.6 | length 6.7
  BOT w0.172: C40.1@40.06,48.526 40.075,48.51 40.075,48.157 39.73,47.812 39.73,47.669 41.225,46.174 42.64,46.174 43.842,44.972 43.967,44.972 U1.6@44.23,44.71
SIOD_P: C35.1 U1.5 | length 6.7
  BOT w0.172: C35.1@38.646,47.111 38.661,47.096 39.015,47.096 39.36,47.441 39.503,47.441 41.092,45.852 42.506,45.852 43.614,44.744 43.614,44.618 U1.5@43.876,44.356
VCC: F1.2 J5.1
X25_N: C43.2 U1.16 Y1.3 | length 11.3
  BOT w0.172: U1.16@48.295,47.185 48.558,47.447 48.558,47.607 48.814,47.863 48.814,48.662 47.473,50.003 47.473,50.634 47.574,50.735 47.857,50.735 C43.2@48.107,50.985 48.022,51.071 47.574,51.071 47.473,51.172 47.473,52.844 47.562,52.933 47.562,53.527 47.438,53.651 47.438,55.316 48.35,56.228 Y1.3@48.35,56.328
X25_P: C42.2 U1.15 Y1.1 | length 8.8
  BOT w0.172: Y1.1@46.65,54.128 46.65,54.028 47.164,53.514 47.187,53.514 47.288,53.413 47.288,53.047 47.199,52.957 47.199,51.172 47.098,51.071 46.65,51.071 C42.2@46.564,50.985 46.814,50.735 47.098,50.735 47.199,50.634 47.199,49.89 48.541,48.548 48.541,47.977 48.364,47.8 48.204,47.8 U1.15@47.942,47.538
XRES: R27.2 U1.17 | length 3.1
  BOT w0.172: U1.17@48.649,46.831 49.48,47.662 49.48,49.094 v2(49.126,49.448)
pads on no net: D1.2 D1.4 D1.5 D1.6 D1.7 D1.9 D2.1 D2.2 D2.4 D2.7 D2.9 D2.10 D3.2 D3.4 D3.5 D3.6 D3.7 D3.9 D4.1 D4.2 D4.4 D4.7 D4.9 D4.10

## Polygon pours and split planes (outlines as drawn)
GND on BOT "GND_L04_P019" (solid, pour order 19): 0,5 0,85 cw(c5,85) 5,90 90,90 cw(c90,85) 95,85 95,5 cw(c90,5) 90,0 5,0 cw(c5,5)
NetL3_2 on BOT "NETL3_2_L04_P001" (solid, pour order 1): 51.95,61.505 51.95,60.855 51.05,60.855 47.875,61.945 47.875,62.595 50.525,62.595
NetL7_2 on BOT "NETL7_2_L04_P000" (solid, pour order 0): 43.05,61.505 43.05,60.855 43.95,60.855 47.125,61.945 47.125,62.595 44.475,62.595
NetL5_2 on BOT "NETL5_2_L04_P018" (solid, pour order 18): 41.825,67.74 38.183,68.338 37.462,67.617 37.772,66.65 37.772,66 38.672,66 41.825,67.09
NetL1_2 on BOT "NETL1_2_L04_P014" (solid, pour order 14): 53.175,67.74 56.817,68.338 57.538,67.617 57.228,66.65 57.228,66 56.328,66 53.175,67.09
NetL7_2 on BOT "NETL7_2_L04_P009" (solid, pour order 9): 47.125,61.945 47.125,62.595 45.836,63.884 45.836,63.885 45.383,64.338 44.662,63.617 44.475,62.595 44.475,61.945
NetL3_2 on BOT "NETL3_2_L04_P008" (solid, pour order 8): 47.875,61.945 47.875,62.595 49.164,63.884 49.164,63.885 49.617,64.338 50.338,63.617 50.525,62.595 50.525,61.945
NetC65_1 on BOT "NETC65_1_L04_P006" (solid, pour order 6): 50.472,57.453 51.928,57.453 51.928,60.055 47.875,60.055 47.875,59.405
NetC67_1 on BOT "NETC67_1_L04_P005" (solid, pour order 5): 44.528,57.453 43.072,57.453 43.072,60.055 47.125,60.055 47.125,59.405
NetC66_1 on BOT "NETC66_1_L04_P003" (solid, pour order 3): 39.228,62.598 37.772,62.598 37.772,65.2 41.825,65.2 41.825,64.55
NetC64_1 on BOT "NETC64_1_L04_P002" (solid, pour order 2): 55.772,62.598 57.228,62.598 57.228,65.2 53.175,65.2 53.175,64.55
GND on TOP "GND_L01_P021" (solid, pour order 21): 0,5 0,85 cw(c5,85) 5,90 90,90 cw(c90,85) 95,85 95,5 cw(c90,5) 90,0 5,0 cw(c5,5)
VCC on TOP "VCC_L01_P017" (solid, pour order 17): 82.5,90 95,90 95,79 86.5,79 86.5,71.5 82.5,71.5
PoC_PWR on TOP "POC_PWR_L01_P020" (solid, pour order 20): 81.5,90 81.5,82 17.75,82 17.75,90
GND on INT2 "GND_L03_P015" (solid, pour order 15): 0,5 0,85 cw(c5,85) 5,90 90,90 cw(c90,85) 95,85 95,5 cw(c90,5) 90,0 5,0 cw(c5,5)
GND on INT1 "GND_L02_P016" (solid, pour order 16): 0,5 0,85 cw(c5,85) 5,90 90,90 cw(c90,85) 95,85 95,5 cw(c90,5) 90,0 5,0 cw(c5,5)

## Other copper
TOP:
  pour cut-out: 81.5,90 82.5,90 82.5,81.9 81.5,81.9

## Silkscreen, mask and mechanical layers (free items; w line width, h text height)
Top Overlay:
  drawing of 23 lines, arcs and shapes, not listed
  text "PoC_VCC" at 83.754,79.508 h1.52
  text "MFP8" at 7.2,77.82 h1
  text "-" at 79.254,76.492 h1.52
  text "MFP7" at 7.2,75.28 h1
  text "+" at 79.254,73 h1.52
  text "MFP5" at 7.2,72.74 h1
  text "MFP4" at 7.2,70.2 h1
  text "MFP3" at 7.2,67.66 h1
  text "LV_VCC" at 85.254,66.508 h1.52
  text "MFP2" at 7.2,65.12 h1
  text "-" at 79.254,63.492 h1.52
  text "MFP1" at 7.2,62.58 h1
  text "MFP0" at 7.2,60.04 h1
  text "+" at 79.254,60 h1.52
  text "nPWDN" at 7.2,57.5 h1
  text "MFP5" at 44.7,55 h1
  text "MFP4" at 44.7,53.5 h1
  text "3V3" at 89.754,53.254 h1.52
  text "3V3 BYPASS" at 68.5,52.434 h1
  text "MFP3" at 44.7,52 h1
  text "nPWDN" at 44.7,50.5 h1
  text "-" at 79.254,50.492 h1.52
  text "LO_VCC" at 68.535,49.883 h1
  text "3V3" at 70.535,47.2 h1
  text "+" at 79.254,47 h1.52
  text "SDA" at 71.534,42.8 h1
  text "CFG0" at 61.2,41.5 h1
  text "SCL" at 71.534,40.2 h1
  text "CFG1" at 61.2,40 h1
  text "MFP7" at 61.2,38.5 h1
  text "MFP2" at 44.7,38 h1
  text "CONF I2C" at 68.5,37.1 h1
  text "MFP8" at 61.2,37 h1
  text "MFP1" at 44.7,36.5 h1
  text "SDA" at 61.7,35.5 h1
  text "MFP0" at 44.7,35 h1
  text "SCL" at 61.7,34 h1
  text "CSI0A" at 80.2,17.999 h1 r270
  text "SDA" at 17.2,17.5 h1
  text "IO0" at 75.301,17.5 h1
  text "SDA SELECT" at 2.168,16.2 h1
  text "SDA SELECT" at 83.168,16.2 h1
  text "SCL" at 17.2,16 h1
  text "IO1" at 75.634,16 h1
  text "IO1" at 17.2,14.5 h1
  text "SCL" at 75.134,14.5 h1
  text "A" at 4.667,13.7 h1
  text "B" at 8.667,13.7 h1
  text "A" at 85.667,13.7 h1
  text "B" at 89.667,13.7 h1
  text "CSI1B" at 14.8,13.584 h1 r90
  text "IO0" at 17.2,13 h1
  text "SDA" at 75.134,13 h1
  text "CSI0B" at 80.2,11.999 h1 r270
  text "SDA" at 17.2,11.5 h1
  text "IO0" at 75.301,11.5 h1
  text "SCL SELECT" at 2.168,11.2 h1
  text "SCL SELECT" at 83.168,11.2 h1
  text "SCL" at 17.2,10 h1
  text "IO1" at 75.634,10 h1
  text "A" at 4.667,8.7 h1
  text "B" at 8.667,8.7 h1
  text "A" at 85.667,8.7 h1
  text "B" at 89.667,8.7 h1
  text "IO1" at 17.2,8.5 h1
  text "SCL" at 75.134,8.5 h1
  text "CSI1A" at 14.8,7.584 h1 r90
  text "IO0" at 17.2,7 h1
  text "SDA" at 75.134,7 h1
Bottom Overlay:
  text "MAX96724 EVAL" at 85,13 h5
  text "Project:" at 85.5,9.666 h2
  text "BRZ" at 66.65,9.333 h2
  text "V1" at 66.65,6 h2
  text "Revision:" at 85.5,6 h2
  text "09/12/2024" at 66.65,2.5 h2
  text "Date:" at 85.5,2.5 h2
Mechanical 1:
  the board outline again, w0.254